# Altium PCB SwarmBotV2.PcbDoc (part 2 of 2)
Units mm, origin at the board's own origin, x right, y up, seen from the top; angles counter-clockwise.
Board outline 50 x 90 mm, 4 copper layers (L1 (Signal), GND, Power, L2 (Signal)), stack 0.786 mm thick; 79 components, 59 nets, 278 pads, 937 vias.
Unrouted connection lines stored in the file: 2.
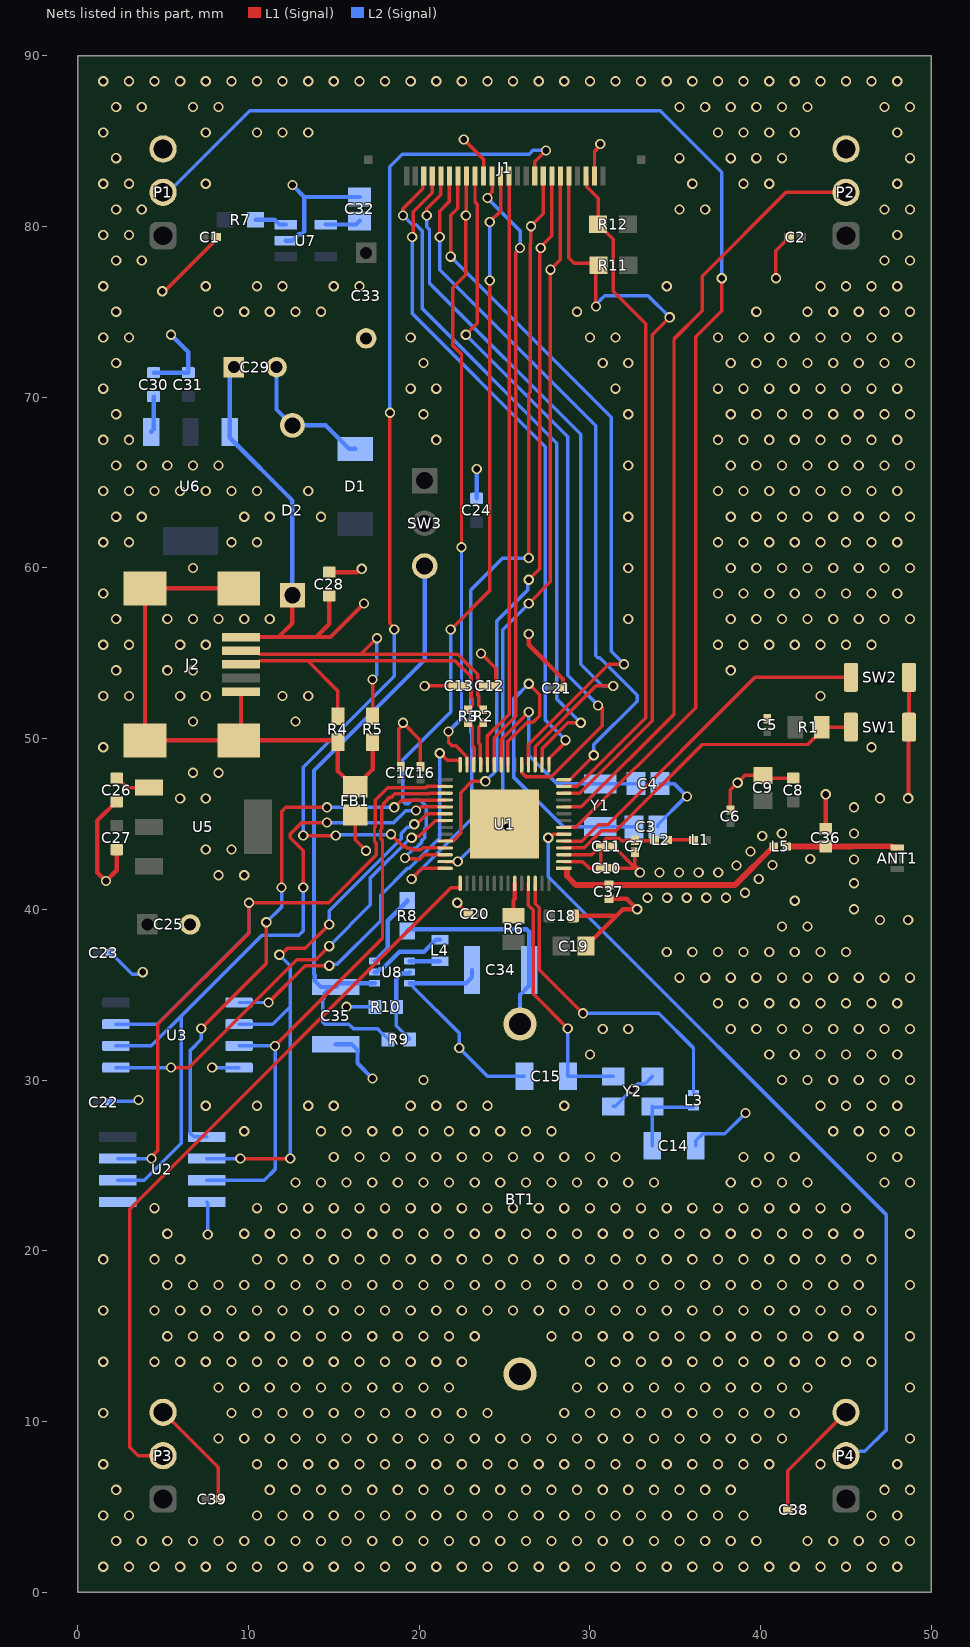
[diagram p4: the nets of this part, all layers, seen from the top]

## Via types
v1: diameter 0.6, hole 0.4, L1 (Signal) to L2 (Signal), 937 vias

## Nets (pads, with @x,y where several pads share a name; then routed paths per layer and width w, separated by ;. In a path a pad name is that pad's centre, name@x,y a point inside that pad or via, vN(x,y) a via of type N, cw(c..) or ccw(c..) an arc to the next point about the centre after c; other vN are vias at no path point) (continued)
cam_reset: J1.6 U1.41 | length 43.4
  L1 (Signal) w0.203: U1.41@21.523,42.8 v1(22.261,42.8) ; v1(26.416,57.912) 27.686,59.182 v1(27.686,77.47) 28.269,78.053 J1.6@28.269,82.952
  L2 (Signal) w0.203: v1(22.261,42.8) 24.892,45.431 24.892,56.388 v1(26.416,57.912)
GND: BT1.N C1.2 C2.2 C3.2 C4.2 C5.2 C6.2 C7.2 C8.2 C9.2 C10.2 C11.2 C12.2 C13.2 C14.2 C15.2 C16.2 C17.2 C18.2 C19.2 C20.2 C21.2 C22.2 C23.2 C24.2 C25.2 C26.2 C27.2 C28.2 C29.2 C30.2 C31.2 C32.2 C33.2 C34.2 C35.2 C36.2 C37.2 C38.2 C39.2 D1.2 D2.2 FB1.2 J1.2 J1.15 P1.3 P2.3 P3.3 P4.3 R10.2 SW1.2 SW2.2 U1.57 U2.4 U3.4 U7.2 U8.3 Y2.2 Y2.4 | length 139.1
  L1 (Signal) w0.203: v1(4.953,76.2) 5.085,76.2 7.926,79.041 7.926,79.245 8.056,79.375 C1.2@8.101,79.375 ; P3.3@5,10.54 8.228,7.312 C39.2@8.228,5.461 ; FB1.2@16.256,45.529 16.256,44.069 v1(16.891,43.434) ; C17.2@18.796,48.36 18.796,50.566 19.05,50.82 v1(19.05,50.927) 20.066,49.911 C16.2@20.066,48.36 ; v1(20.32,53.086) C13.2@21.998,53.086 ; v1(22.225,40.386) 22.225,40.367 22.841,39.751 C20.2@22.887,39.751 ; v1(22.606,85.09) 23.769,83.927 J1.15@23.769,82.952 ; v1(23.622,54.991) 24.484,54.129 C12.2@24.484,53.086 ; J1.2@30.269,82.952 30.269,84.391 30.607,84.729 v1(30.607,84.836) ; C10.2@31.342,42.418 32.56,42.418 ; C11.2@31.342,43.688 31.388,43.688 32.609,42.467 ; C7.2@32.639,43.334 32.639,42.554 32.925,42.268 v1(32.925,42.161) ; C6.2@38.227,45.82 38.227,46.99 v1(38.653,47.416) 39.079,47.842 C9.2@40.132,47.842 40.284,47.69 C8.2@41.91,47.69 ; v1(40.894,76.962) 40.894,78.586 41.507,79.2 41.507,79.245 41.637,79.375 C2.2@41.683,79.375 ; C38.2@41.582,4.826 41.582,7.122 P4.3@45,10.54
  L1 (Signal) w0.254: C27.2@2.286,43.496 2.286,42.291 v1(1.651,41.656) 1.143,42.164 1.143,45.197 2.236,46.29 C26.2@2.286,46.29 ; C28.2@14.732,59.755 16.354,59.755 16.543,59.944 v1(16.637,59.944) ; U1.57@25,45 25,44.977 v1(25.147,44.83) ; v1(26.416,56.134) 26.416,55.499 28.421,53.494 C21.2@28.421,52.959 ; C18.2@29.021,39.624 31.496,39.624 31.522,39.598 ; C19.2@29.771,37.846 29.771,37.896 30.144,38.269 30.194,38.269 31.522,39.598 ; C37.2@31.115,40.621 32.15,40.621 v1(32.766,40.005) 31.93,40.005 31.522,39.598 ; C36.2@43.815,44.704 v1(43.815,46.736) ; v1(48.641,46.503) 48.665,46.528 48.665,50.648 SW1.2@48.69,50.673 SW2.2@48.69,53.594
  L2 (Signal) w0.203: C22.2@1.878,28.702 1.942,28.765 3.492,28.765 v1(3.556,28.829) ; C23.2@1.878,37.465 1.924,37.465 3.194,36.195 3.683,36.195 v1(3.81,36.322) ; U2.4@7.553,22.86 7.62,22.793 v1(7.62,20.955) ; v1(7.874,30.734) U3.4@9.447,30.734 ; v1(15.748,34.29) R10.2@17.407,34.29 ; U8.3@19.44,35.672 19.565,35.672 19.663,35.574 19.663,35.449 22.352,32.76 v1(22.352,31.877) 24.003,30.226 C15.2@26.157,30.226 ; Y2.2@31.362,28.462 31.487,28.462 32.814,29.789 33.239,29.789 Y2.4@33.662,30.212 ; C3.2@33.975,44.831 33.975,44.957 35.627,46.609 v1(35.687,46.609) 34.925,47.371 C4.2@34.102,47.371 ; C14.2@36.2,26.162 36.2,26.437 36.623,26.86 37.909,26.86 v1(39.116,28.067)
  L2 (Signal) w0.254: C30.2@4.445,71.439 C31.2@6.477,71.439 6.477,72.644 v1(5.461,73.66) ; C29.2@11.644,71.755 11.644,69.277 D2.2@12.573,68.348 14.528,68.348 15.906,66.97 D1.2@16.256,66.97 ; U7.2@12.192,79.172 12.573,79.172 12.954,79.553 13.11,79.553 13.259,79.702 13.259,81.715 13.27,81.726 ; v1(12.573,82.423) 13.27,81.726 ; C35.2@15.113,32.107 16.039,32.107 16.388,31.757 16.388,30.983 v1(17.272,30.099) ; C32.2@16.51,81.726 13.27,81.726 ; U8.3@19.44,35.672 22.74,35.672 23.09,36.022 C34.2@23.09,36.449 ; C24.2@23.368,64.073 v1(23.368,65.786)
  other v1: 1.5,1.5 3,1.5 4.5,1.5 6,1.5 7.5,1.5 9,1.5 10.5,1.5 12,1.5 13.5,1.5 15,1.5 16.5,1.5 18,1.5 19.5,1.5 21,1.5 22.5,1.5 24,1.5 25.5,1.5 27,1.5 28.5,1.5 30,1.5 31.5,1.5 33,1.5 34.5,1.5 36,1.5 37.5,1.5 39,1.5 40.5,1.5 42,1.5 43.5,1.5 45,1.5 46.5,1.5 48,1.5 2.25,3 3.75,3 5.25,3 6.75,3 8.25,3 9.75,3 11.25,3 12.75,3 14.25,3 15.75,3 17.25,3 18.75,3 20.25,3 21.75,3 23.25,3 24.75,3 26.25,3 27.75,3 29.25,3 30.75,3 32.25,3 33.75,3 35.25,3 36.75,3 38.25,3 39.75,3 42.75,3 44.25,3 45.75,3 47.25,3 48.75,3 1.5,4.5 3,4.5 10.5,4.5 12,4.5 13.5,4.5 15,4.5 16.5,4.5 18,4.5 19.5,4.5 21,4.5 22.5,4.5 24,4.5 25.5,4.5 27,4.5 28.5,4.5 30,4.5 31.5,4.5 33,4.5 34.5,4.5 36,4.5 37.5,4.5 39,4.5 46.5,4.5 48,4.5 2.25,6 11.25,6 12.75,6 14.25,6 15.75,6 17.25,6 18.75,6 20.25,6 21.75,6 23.25,6 24.75,6 26.25,6 27.75,6 29.25,6 30.75,6 32.25,6 33.75,6 35.25,6 36.75,6 38.25,6 47.25,6 48.75,6 1.5,7.5 10.5,7.5 12,7.5 13.5,7.5 15,7.5 16.5,7.5 18,7.5 19.5,7.5 21,7.5 22.5,7.5 24,7.5 25.5,7.5 27,7.5 28.5,7.5 30,7.5 31.5,7.5 33,7.5 34.5,7.5 36,7.5 37.5,7.5 39,7.5 40.5,7.5 43.5,7.5 48,7.5 8.25,9 9.75,9 11.25,9 12.75,9 14.25,9 15.75,9 17.25,9 18.75,9 20.25,9 21.75,9 23.25,9 24.75,9 26.25,9 27.75,9 29.25,9 30.75,9 32.25,9 33.75,9 35.25,9 36.75,9 38.25,9 39.75,9 41.25,9 48.75,9 1.5,10.5 9,10.5 10.5,10.5 12,10.5 13.5,10.5 15,10.5 16.5,10.5 18,10.5 19.5,10.5 21,10.5 22.5,10.5 24,10.5 28.5,10.5 30,10.5 31.5,10.5 33,10.5 34.5,10.5 36,10.5 37.5,10.5 39,10.5 40.5,10.5 42,10.5 8.25,12 9.75,12 11.25,12 12.75,12 14.25,12 15.75,12 17.25,12 18.75,12 20.25,12 21.75,12 29.25,12 30.75,12 32.25,12 33.75,12 35.25,12 36.75,12 38.25,12 39.75,12 41.25,12 42.75,12 48.75,12 1.5,13.5 4.5,13.5 6,13.5 7.5,13.5 9,13.5 10.5,13.5 12,13.5 13.5,13.5 15,13.5 16.5,13.5 18,13.5 19.5,13.5 21,13.5 22.5,13.5 30,13.5 31.5,13.5 33,13.5 34.5,13.5 36,13.5 37.5,13.5 39,13.5 40.5,13.5 42,13.5 43.5,13.5 45,13.5 46.5,13.5 5.25,15 6.75,15 8.25,15 9.75,15 11.25,15 12.75,15 14.25,15 15.75,15 17.25,15 18.75,15 20.25,15 21.75,15 23.25,15 27.75,15 29.25,15 30.75,15 32.25,15 33.75,15 35.25,15 36.75,15 38.25,15 39.75,15 41.25,15 42.75,15 44.25,15 45.75,15 48.75,15 1.5,16.5 4.5,16.5 6,16.5 7.5,16.5 9,16.5 10.5,16.5 12,16.5 13.5,16.5 15,16.5 16.5,16.5 18,16.5 19.5,16.5 21,16.5 22.5,16.5 24,16.5 25.5,16.5 27,16.5 28.5,16.5 30,16.5 31.5,16.5 33,16.5 34.5,16.5 36,16.5 37.5,16.5 39,16.5 40.5,16.5 42,16.5 43.5,16.5 45,16.5 46.5,16.5 5.25,18 6.75,18 8.25,18 9.75,18 11.25,18 12.75,18 14.25,18 15.75,18 17.25,18 18.75,18 20.25,18 21.75,18 23.25,18 24.75,18 26.25,18 27.75,18 29.25,18 30.75,18 32.25,18 33.75,18 35.25,18 36.75,18 38.25,18 39.75,18 41.25,18 42.75,18 44.25,18 45.75,18 48.75,18 1.5,19.5 4.5,19.5 6,19.5 10.5,19.5 12,19.5 13.5,19.5 15,19.5 16.5,19.5 18,19.5 19.5,19.5 21,19.5 22.5,19.5 24,19.5 25.5,19.5 27,19.5 28.5,19.5 30,19.5 31.5,19.5 33,19.5 34.5,19.5 36,19.5 37.5,19.5 39,19.5 40.5,19.5 42,19.5 43.5,19.5 45,19.5 46.5,19.5 5.25,21 9.75,21 11.25,21 12.75,21 14.25,21 15.75,21 17.25,21 18.75,21 20.25,21 21.75,21 23.25,21 24.75,21 26.25,21 27.75,21 29.25,21 30.75,21 32.25,21 33.75,21 35.25,21 36.75,21 38.25,21 39.75,21 41.25,21 42.75,21 44.25,21 45.75,21 48.75,21 4.5,22.5 10.5,22.5 12,22.5 13.5,22.5 15,22.5 16.5,22.5 18,22.5 19.5,22.5 21,22.5 22.5,22.5 24,22.5 25.5,22.5 27,22.5 28.5,22.5 30,22.5 31.5,22.5 33,22.5 34.5,22.5 36,22.5 37.5,22.5 39,22.5 40.5,22.5 42,22.5 43.5,22.5 45,22.5 12.75,24 14.25,24 15.75,24 17.25,24 18.75,24 20.25,24 21.75,24 23.25,24 24.75,24 26.25,24 27.75,24 29.25,24 30.75,24 32.25,24 33.75,24 38.25,24 39.75,24 41.25,24 42.75,24 47.25,24 48.75,24 15,25.5 16.5,25.5 18,25.5 19.5,25.5 21,25.5 22.5,25.5 24,25.5 25.5,25.5 27,25.5 28.5,25.5 30,25.5 31.5,25.5 39,25.5 40.5,25.5 42,25.5 46.5,25.5 48,25.5 9.75,27 14.25,27 15.75,27 17.25,27 18.75,27 20.25,27 21.75,27 23.25,27 24.75,27 26.25,27 27.75,27 44.25,27 45.75,27 47.25,27 48.75,27 7.5,28.5 10.5,28.5 13.5,28.5 15,28.5 19.5,28.5 21,28.5 22.5,28.5 24,28.5 28.5,28.5 43.5,28.5 45,28.5 46.5,28.5 48,28.5 32.5,29.475 20.25,30 41.25,30 42.75,30 44.25,30 45.75,30 47.25,30 48.75,30 30,31.5 40.5,31.5 42,31.5 43.5,31.5 45,31.5 46.5,31.5 48,31.5 30.75,33 32.25,33 38.25,33 39.75,33 41.25,33 42.75,33 44.25,33 45.75,33 47.25,33 48.75,33 37.5,34.5 39,34.5 40.5,34.5 42,34.5 43.5,34.5 45,34.5 46.5,34.5 48,34.5 35.25,36 36.75,36 38.25,36 39.75,36 41.25,36 42.75,36 44.25,36 45.75,36 47.25,36 48.75,36 34.5,37.5 36,37.5 37.5,37.5 39,37.5 40.5,37.5 42,37.5 43.5,37.5 45,37.5 41.25,39 42.75,39 46.99,39.37 48.641,39.37 45.466,40.005 42,40.5 33.376,40.681 34.524,40.681 35.672,40.681 36.82,40.681 37.968,40.681 39.078,40.972 45.466,41.529 39.89,41.784 8.25,42 9.75,42 34.073,42.161 35.221,42.161 36.369,42.161 37.517,42.161 38.588,42.574 40.702,42.596 45.466,42.926 42.903,42.952 39.4,43.386 7.5,43.5 9,43.5 40.096,44.299 41.243,44.446 45.466,44.45 45.466,45.974 6,46.5 7.5,46.5 46.99,46.503 6.75,48 8.25,48 1.5,49.5 46.5,49.5 6.75,51 12.75,51 1.5,52.5 3,52.5 6,52.5 7.5,52.5 12,52.5 13.5,52.5 43.5,52.5 2.25,54 5.25,54 6.75,54 38.25,54 1.5,55.5 3,55.5 6,55.5 7.5,55.5 37.5,55.5 39,55.5 40.5,55.5 42,55.5 43.5,55.5 45,55.5 46.5,55.5 2.25,57 5.25,57 6.75,57 8.25,57 9.75,57 11.25,57 32.25,57 38.25,57 39.75,57 41.25,57 42.75,57 44.25,57 45.75,57 47.25,57 48.75,57 1.5,58.5 37.5,58.5 39,58.5 40.5,58.5 42,58.5 43.5,58.5 45,58.5 46.5,58.5 48,58.5 6.75,60 32.25,60 38.25,60 39.75,60 41.25,60 42.75,60 44.25,60 45.75,60 47.25,60 48.75,60 1.5,61.5 3,61.5 9,61.5 10.5,61.5 37.5,61.5 39,61.5 40.5,61.5 42,61.5 43.5,61.5 45,61.5 46.5,61.5 48,61.5 2.25,63 3.75,63 9.75,63 11.25,63 14.25,63 32.25,63 38.25,63 39.75,63 41.25,63 42.75,63 44.25,63 45.75,63 47.25,63 48.75,63 1.5,64.5 3,64.5 4.5,64.5 6,64.5 7.5,64.5 9,64.5 10.5,64.5 13.5,64.5 37.5,64.5 39,64.5 40.5,64.5 42,64.5 43.5,64.5 45,64.5 46.5,64.5 48,64.5 2.25,66 3.75,66 5.25,66 6.75,66 8.25,66 32.25,66 38.25,66 39.75,66 41.25,66 42.75,66 44.25,66 45.75,66 47.25,66 48.75,66 1.5,67.5 3,67.5 21,67.5 37.5,67.5 39,67.5 40.5,67.5 42,67.5 43.5,67.5 45,67.5 46.5,67.5 48,67.5 2.25,69 20.25,69 32.25,69 38.25,69 39.75,69 41.25,69 42.75,69 44.25,69 45.75,69 47.25,69 48.75,69 1.5,70.5 19.5,70.5 21,70.5 31.5,70.5 37.5,70.5 39,70.5 40.5,70.5 42,70.5 43.5,70.5 45,70.5 46.5,70.5 48,70.5 2.25,72 20.25,72 30.75,72 32.25,72 38.25,72 39.75,72 41.25,72 42.75,72 44.25,72 45.75,72 47.25,72 48.75,72 1.5,73.5 3,73.5 19.5,73.5 30,73.5 31.5,73.5 37.5,73.5 39,73.5 40.5,73.5 42,73.5 43.5,73.5 45,73.5 46.5,73.5 48,73.5 2.25,75 8.25,75 9.75,75 11.25,75 12.75,75 14.25,75 29.25,75 39.75,75 42.75,75 44.25,75 45.75,75 47.25,75 48.75,75 1.5,76.5 7.5,76.5 10.5,76.5 12,76.5 15,76.5 16.5,76.5 34.5,76.5 43.5,76.5 45,76.5 46.5,76.5 48,76.5 2.25,78 3.75,78 47.25,78 48.75,78 1.5,79.5 3,79.5 48,79.5 2.25,81 3.75,81 35.25,81 36.75,81 47.25,81 48.75,81 1.5,82.5 3,82.5 7.5,82.5 36,82.5 39,82.5 40.5,82.5 48,82.5 2.25,84 35.25,84 38.25,84 39.75,84 41.25,84 48.75,84 1.5,85.5 7.5,85.5 10.5,85.5 12,85.5 13.5,85.5 37.5,85.5 39,85.5 40.5,85.5 42,85.5 48,85.5 2.25,87 3.75,87 6.75,87 8.25,87 35.25,87 36.75,87 38.25,87 39.75,87 41.25,87 42.75,87 47.25,87 48.75,87 1.5,88.5 3,88.5 4.5,88.5 6,88.5 7.5,88.5 9,88.5 10.5,88.5 12,88.5 13.5,88.5 15,88.5 16.5,88.5 18,88.5 19.5,88.5 21,88.5 22.5,88.5 24,88.5 25.5,88.5 27,88.5 28.5,88.5 30,88.5 31.5,88.5 33,88.5 34.5,88.5 36,88.5 37.5,88.5 39,88.5 40.5,88.5 42,88.5 43.5,88.5 45,88.5 46.5,88.5 48,88.5
href: J1.9 U1.39 | length 61.6
  L1 (Signal) w0.203: v1(13.208,44.323) v1(15.113,44.323) ; v1(18.288,69.088) 18.288,56.749 18.542,56.495 v1(18.542,56.388) ; v1(18.343,44.395) 19.08,43.658 19.241,43.658 19.307,43.591 19.494,43.591 19.592,43.494 20.092,43.494 20.198,43.6 U1.39@21.523,43.6 ; J1.9@26.769,82.952 26.769,83.792 v1(27.432,84.455)
  L2 (Signal) w0.203: v1(13.208,44.323) 13.208,48.323 18.542,53.657 v1(18.542,56.388) ; v1(15.113,44.323) 15.149,44.359 18.307,44.359 v1(18.343,44.395) ; v1(18.288,69.088) 18.288,83.499 19.02,84.231 26.443,84.231 26.666,84.455 v1(27.432,84.455)
NetANT1_4: ANT1.4 C36.1 L5.2 | length 6.5
  L1 (Signal) w0.343: L5.2@41.527,43.688 41.531,43.692 45.335,43.692 45.339,43.696 47.704,43.696 47.775,43.625 ANT1.4@48,43.625
NetBT1_P: BT1.P C34.1 L4.1 R8.1 U8.1 | length 14.6
  L2 (Signal) w0.254: R8.1@19.304,38.724 19.418,38.838 26.291,38.838 26.44,38.689 C34.1@26.44,36.449 26.44,35.523 25.908,34.991 BT1.P@25.908,33.28 ; U8.1@19.44,36.972 19.442,36.97 21.206,36.97 L4.1@21.209,36.967
NetC3_1: C3.1 U1.21 Y1.1 | length 20.1
  L1 (Signal) w0.203: U1.21@25.2,48.477 25.2,49.843 25.205,49.843 26.319,50.957 26.667,50.957 27.051,51.342 27.051,52.578 v1(26.416,53.213)
  L2 (Signal) w0.203: v1(26.416,53.213) 25.527,52.324 25.527,47.752 28.428,44.851 Y1.1@30.607,44.851 32.553,44.851 C3.1@32.573,44.831
NetC4_1: C4.1 U1.22 Y1.2 | length 13.3
  L1 (Signal) w0.203: U1.22@24.8,48.477 24.8,49.946 v1(26.416,51.562)
  L2 (Signal) w0.203: v1(26.416,51.562) 26.416,49.022 28.067,47.371 30.587,47.371 Y1.2@30.607,47.351 30.627,47.371 C4.1@32.7,47.371
NetC7_1: C7.1 C10.1 C11.1 L2.2 U1.2 U1.3 | length 9.5
  L1 (Signal) w0.203: U1.2@28.477,42.8 29.592,42.8 29.974,42.418 C10.1@30.634,42.418 C11.1@30.634,43.688 ; U1.3@28.477,43.2 30.1,43.2 30.588,43.688 C11.1@30.634,43.688 ; L2.2@33.784,44.069 33.738,44.022 31.875,44.022 31.725,44.173 30.96,44.173 30.809,44.022 30.809,43.818 30.679,43.688 C11.1@30.634,43.688
NetC14_1: C14.1 L3.2 Y2.1 | length 4.7
  L2 (Signal) w0.203: C14.1@33.65,26.162 33.662,26.174 Y2.1@33.662,28.462 33.72,28.404 L3.2@36.068,28.404
NetC15_1: C15.1 U1.53 Y2.3 | length 14.9
  L1 (Signal) w0.203: U1.53@26.4,41.523 26.4,40.232 26.67,39.962 26.67,35.052 v1(28.702,33.02)
  L2 (Signal) w0.203: v1(28.702,33.02) 28.702,30.231 C15.1@28.707,30.226 31.348,30.226 Y2.3@31.362,30.212
NetC26_1: C26.1 U5.1 | length 2.1
  L1 (Signal) w0.203: C26.1@2.286,47.69 2.336,47.69 2.895,47.131 U5.1@4.166,47.131
NetC30_1: C30.1 U6.1 | length 2.1
  L2 (Signal) w0.254: U6.1@4.304,67.97 4.445,68.111 C30.1@4.445,70.039
NetC32_1: C32.1 U7.4 | length 2.1
  L2 (Signal) w0.254: U7.4@14.529,80.112 16.296,80.112 C32.1@16.51,80.326
NetFB1_1: FB1.1 J2.5 J2.Shell R4.2 R5.2 | length 34.8
  L1 (Signal) w0.254: J2.Shell@9.437,58.801 J2.Shell@3.937,58.801 J2.Shell@3.937,49.901 J2.Shell@9.437,49.901 ; J2.5@9.562,52.751 9.562,50.026 J2.Shell@9.437,49.901 ; R5.2@17.272,49.786 17.272,48.197 16.857,47.782 16.857,47.681 16.357,47.181 FB1.1@16.256,47.181 16.155,47.181 15.24,48.096 R4.2@15.24,49.786 15.125,49.901 J2.Shell@9.437,49.901
NetL1_2: L1.2 L2.1 | length 1.5
  L1 (Signal) w0.203: L2.1@34.542,44.069 L1.2@36.07,44.069
NetL3_1: L3.1 U1.54 | length 18.7
  L1 (Signal) w0.203: U1.54@26.8,41.523 26.8,40.335 27.037,40.098 27.037,36.463 v1(29.591,33.909)
  L2 (Signal) w0.203: v1(29.591,33.909) 34.036,33.909 36.068,31.877 L3.1@36.068,29.254
NetL4_2: L4.2 U8.5 | length 4.6
  L2 (Signal) w0.254: U8.5@17.39,36.322 17.515,36.322 17.686,36.493 17.824,36.493 18.844,37.513 20.28,37.513 20.984,38.217 L4.2@21.209,38.217
NetP1_2: P1.2 U1.7 | length 78.8
  L1 (Signal) w0.203: U1.7@28.477,44.8 29.179,44.8 36.195,51.816 36.195,73.533 37.719,75.057 v1(37.719,76.962)
  L2 (Signal) w0.203: P1.2@5,82 5.292,82 10.076,86.784 34.12,86.784 37.719,83.185 v1(37.719,76.962)
NetP2_2: P2.2 U1.10 | length 45.5
  L1 (Signal) w0.203: U1.10@28.477,46 29.49,46 34.925,51.435 34.925,73.406 36.576,75.057 36.576,77.089 41.487,82 P2.2@45,82
NetP3_2: P3.2 U1.43 | length 43.5
  L1 (Signal) w0.203: P3.2@5,8 3.549,8 3.048,8.501 3.048,22.445 21.864,41.262 22.395,41.262 22.4,41.267 U1.43@22.4,41.523
NetP4_2: P4.2 U1.6 | length 46.9
  L1 (Signal) w0.203: v1(27.559,44.196) 27.666,44.196 27.865,44.395 28.472,44.395 U1.6@28.477,44.4
  L2 (Signal) w0.203: v1(27.559,44.196) 27.559,41.91 47.371,22.098 47.371,9.525 46.105,8.259 45.259,8.259 P4.2@45,8
NetR1_2: R1.2 SW1.1 U1.4 | length 19.9
  L1 (Signal) w0.203: U1.4@28.477,43.6 29.678,43.6 30.68,44.602 31.521,44.602 36.576,49.657 42.761,49.657 43.575,50.471 R1.2@43.575,50.673 SW1.1@45.29,50.673
NetR6_1: R6.1 U1.51 | length 1.9
  L1 (Signal) w0.254: R6.1@25.527,39.638 25.527,40.553 25.6,40.626 U1.51@25.6,41.523
NetR7_2: R7.2 U7.3 | length 1.9
  L2 (Signal) w0.254: R7.2@10.425,80.391 11.532,80.391 11.811,80.112 U7.3@12.192,80.112
NetR8_2: R8.2 U8.6 | length 4.4
  L2 (Signal) w0.254: U8.6@17.39,36.972 17.515,36.972 17.588,37.045 17.588,37.17 18.161,37.743 18.161,39.331 19.304,40.474 R8.2@19.304,40.524
NetR9_1: R9.1 R10.1 U8.2 | length 4.8
  L2 (Signal) w0.203: R10.1@18.661,34.29 18.661,33.182 19.431,32.412 R9.1@19.431,32.385
  L2 (Signal) w0.254: R10.1@18.661,34.29 18.661,35.933 18.977,36.249 19.367,36.249 U8.2@19.44,36.322
NetSW2_1: SW2.1 U1.5 | length 20.8
  L1 (Signal) w0.203: U1.5@28.477,44 29.522,44 30.48,44.958 31.036,44.958 39.672,53.594 SW2.1@45.29,53.594
NetU1_28: U1.28 U3.1 | length 23.2
  L1 (Signal) w0.203: v1(11.176,34.544) 13.335,36.703 v1(14.732,36.703) ; v1(21.209,49.149) 21.243,49.149 21.654,48.738 22.395,48.738 22.4,48.733 U1.28@22.4,48.477
  L2 (Signal) w0.203: U3.1@9.447,34.544 v1(11.176,34.544) ; v1(14.732,36.703) 14.808,36.779 15.189,36.779 17.755,39.345 17.755,40.835 19.318,42.399 19.416,42.399 21.209,44.192 v1(21.209,49.149)
NetU1_30: U1.30 U2.7 U3.7 | length 47.4
  L1 (Signal) w0.203: v1(4.318,25.4) 4.318,25.493 4.699,25.874 4.699,33.274 10.033,38.608 v1(10.033,40.386) 14.698,40.386 17.496,43.183 17.496,43.884 17.383,43.997 17.383,44.793 17.427,44.837 17.427,46.383 18.165,47.121 20.403,47.121 20.482,47.2 U1.30@21.523,47.2
  L2 (Signal) w0.203: U3.7@2.237,33.274 4.665,33.274 10.033,38.642 v1(10.033,40.386) ; U2.7@2.353,25.4 v1(4.318,25.4)
NetU1_31: U1.31 U2.3 U3.3 | length 34.4
  L1 (Signal) w0.203: v1(11.557,32.004) 17.851,38.298 17.851,44.031 17.738,44.144 17.738,44.646 17.81,44.717 17.81,46.004 17.937,46.131 17.937,46.225 18.291,46.579 18.385,46.579 18.571,46.765 20.55,46.765 20.585,46.8 U1.31@21.523,46.8
  L2 (Signal) w0.203: U2.3@7.553,24.13 10.922,24.13 11.557,24.765 v1(11.557,32.004) U3.3@9.447,32.004
NetU1_32: U1.32 U2.1 | length 32
  L1 (Signal) w0.203: v1(7.239,33.02) 11.049,36.83 v1(11.049,39.243) ; v1(11.938,41.275) 11.938,45.72 12.192,45.974 v1(14.605,45.974) ; v1(18.542,45.974) 18.545,45.974 18.971,46.4 U1.32@21.523,46.4
  L2 (Signal) w0.203: v1(7.239,33.02) 7.239,32.385 6.604,31.75 6.604,26.868 6.802,26.67 U2.1@7.553,26.67 ; v1(11.049,39.243) 11.938,40.132 v1(11.938,41.275) ; v1(14.605,45.974) v1(18.542,45.974)
NetU1_33: U1.33 U2.6 U3.6 | length 41.8
  L1 (Signal) w0.203: v1(13.208,41.275) 13.208,43.434 12.446,44.196 12.446,44.416 13.115,45.085 v1(14.605,45.085) ; v1(19.812,45.795) 19.919,45.795 20.124,46 U1.33@21.523,46
  L2 (Signal) w0.203: U3.6@2.237,32.004 4.318,32.004 6.223,33.909 ; U2.6@2.353,24.13 3.903,24.13 6.066,26.292 6.066,33.752 6.223,33.909 ; v1(13.208,41.275) 13.208,38.735 12.954,38.481 10.795,38.481 6.223,33.909 ; v1(14.605,45.085) 18.508,45.085 19.207,45.784 19.801,45.784 v1(19.812,45.795)
NetU1_34: U1.34 U2.2 U3.2 | length 34.3
  L1 (Signal) w0.203: v1(9.525,25.4) v1(12.446,25.4) ; v1(11.811,37.338) 11.904,37.338 12.285,37.719 13.335,37.719 v1(14.732,39.116) ; v1(19.716,44.984) 19.823,44.984 20.03,45.19 20.063,45.19 20.472,45.6 U1.34@21.523,45.6
  L2 (Signal) w0.203: U2.2@7.553,25.4 v1(9.525,25.4) ; U3.2@9.447,33.274 11.43,33.274 12.446,34.29 ; v1(11.811,37.338) 12.446,36.703 12.446,34.29 ; v1(12.446,25.4) 12.446,34.29 ; v1(14.732,39.116) 14.732,39.929 18.948,44.144 18.948,44.441 19.307,44.801 19.425,44.801 19.608,44.984 v1(19.716,44.984)
NetU1_35: U1.35 U2.5 U3.5 | length 26.2
  L1 (Signal) w0.203: v1(5.461,30.734) 6.511,30.734 12.835,37.059 13.945,37.059 v1(14.732,37.846) ; v1(19.558,44.196) 19.634,44.272 20.015,44.272 20.938,45.195 21.517,45.195 U1.35@21.523,45.2
  L2 (Signal) w0.203: U3.5@2.237,30.734 v1(5.461,30.734) ; v1(14.732,37.846) 17.145,40.259 17.145,41.839 19.502,44.196 v1(19.558,44.196)
pclk: J1.17 U1.27 | length 35.9
  L1 (Signal) w0.203: v1(21.717,50.419) 21.717,49.784 21.92,49.581 22.154,49.581 22.795,48.941 22.795,48.483 U1.27@22.8,48.477 ; v1(22.479,61.214) 22.479,72.517 21.971,73.025 21.971,76.4 22.733,77.162 v1(22.733,80.645) 22.751,80.663 22.751,82.934 J1.17@22.769,82.952
  L2 (Signal) w0.203: v1(21.717,50.419) 22.479,51.181 v1(22.479,61.214)
pwdn: J1.8 U1.42 | length 47.5
  L1 (Signal) w0.203: v1(19.558,41.783) 19.558,41.806 20.152,42.4 U1.42@21.523,42.4 ; v1(26.416,60.579) 26.416,70.193 26.513,70.29 26.513,78.991 26.543,79.021 v1(26.543,80.01) 27.269,80.736 J1.8@27.269,82.952
  L2 (Signal) w0.203: v1(19.558,41.783) 23.084,45.309 23.084,50.296 23.017,50.362 23.017,58.704 24.892,60.579 v1(26.416,60.579)
RF_I/O: C37.1 L5.1 U1.1 | length 13.6
  L1 (Signal) w0.343: U1.1@28.654,42.33 28.654,41.958 29.191,41.421 C37.1@31.115,41.421 38.481,41.421 40.748,43.688 L5.1@40.769,43.688
SCL: J1.5 R11.2 U1.12 | length 45.3
  L1 (Signal) w0.203: U1.12@28.477,46.8 29.401,46.8 33.655,51.054 33.655,73.66 v1(34.671,74.676) ; J1.5@28.769,82.952 28.769,78.165 29.083,77.851 30.365,77.851 R11.2@30.492,77.724 30.353,77.585 v1(30.353,75.311)
  L2 (Signal) w0.203: v1(30.353,75.311) 30.353,75.418 30.607,75.672 30.607,75.692 30.861,75.946 33.401,75.946 v1(34.671,74.676)
SDA: J1.3 R12.2 U1.13 | length 39.7
  L1 (Signal) w0.203: U1.13@28.477,47.2 29.259,47.2 33.274,51.215 33.274,74.295 31.369,76.2 31.369,79.248 30.908,79.709 30.908,79.733 30.503,80.137 R12.2@30.48,80.137 30.48,81.661 29.817,82.324 29.817,82.904 J1.3@29.769,82.952
USB1_N: C12.1 J2.2 R2.2 R5.1 | length 23.1
  L1 (Signal) w0.203: J2.2@9.562,55.151 10.437,55.151 10.655,54.933 16.579,54.933 ; R5.1@17.272,51.306 v1(17.272,53.467) ; v1(17.526,55.88) 16.579,54.933 ; R2.2@23.749,51.683 23.749,51.708 23.626,51.831 23.605,51.831 23.486,51.95 23.486,52.487 23.423,52.55 23.423,52.837 23.542,52.956 23.646,52.956 C12.1@23.776,53.086 23.646,53.216 23.542,53.216 23.423,53.335 23.423,53.772 23.028,54.167 23.014,54.167 22.248,54.933 16.579,54.933
  L2 (Signal) w0.203: v1(17.272,53.467) 17.526,53.721 v1(17.526,55.88)
USB1_P: C13.1 J2.3 R3.2 R4.1 | length 20.5
  L1 (Signal) w0.203: J2.3@9.562,54.351 10.437,54.351 10.655,54.569 13.462,54.569 ; R4.1@15.24,51.306 15.24,52.791 13.462,54.569 ; R3.2@22.86,51.683 22.86,51.708 22.983,51.831 23.004,51.831 23.123,51.95 23.123,52.336 23.059,52.4 23.059,52.837 22.94,52.956 22.836,52.956 C13.1@22.706,53.086 22.836,53.216 22.94,53.216 23.059,53.335 23.059,53.622 22.878,53.804 22.864,53.804 22.098,54.569 13.462,54.569
USB_N: R2.1 U1.25 | length 2.6
  L1 (Signal) w0.203: U1.25@23.6,48.477 23.6,48.829 23.582,48.848 23.582,49.626 23.486,49.722 23.486,50.666 23.605,50.785 23.626,50.785 23.749,50.908 R2.1@23.749,50.933
USB_P: R3.1 U1.26 | length 2.6
  L1 (Signal) w0.203: R3.1@22.86,50.933 22.86,50.908 22.983,50.785 23.004,50.785 23.123,50.666 23.123,49.571 23.218,49.476 23.218,48.848 23.2,48.829 U1.26@23.2,48.477
Vbat: C35.1 R9.2 SW3.3 U8.4 | length 37.3
  L2 (Signal) w0.203: C35.1@14.826,35.457 14.451,35.082 14.451,34.795 14.351,34.695 14.351,33.393 14.47,33.274 15.875,33.274 16.129,33.02 17.542,33.02 17.873,32.689 17.9,32.689 18.177,32.412 R9.2@18.177,32.385
  L2 (Signal) w0.254: U8.4@17.39,35.672 15.328,35.672 C35.1@15.113,35.457 14.826,35.457 14.242,35.457 13.892,35.807 13.892,36.146 13.843,36.195 13.843,48.133 20.32,54.61 SW3.3@20.32,60.111
VBUS: C28.1 C29.1 D2.1 J2.1 U6.3 | length 28.5
  L1 (Signal) w0.254: J2.1@9.562,55.951 11.766,55.951 ; D2.1@12.573,58.398 12.573,56.758 11.766,55.951 ; C28.1@14.732,58.355 14.732,56.713 13.97,55.951 ; v1(16.764,57.912) 14.803,55.951 13.97,55.951 ; 11.766,55.951 13.97,55.951
  L2 (Signal) w0.254: C29.1@9.144,71.755 8.904,71.515 U6.3@8.904,67.97 8.904,67.62 12.573,63.951 D2.1@12.573,58.398
vsync: J1.7 U1.38 | length 42.2
  L1 (Signal) w0.203: U1.38@21.523,44 21.528,44.005 21.986,44.005 22.428,44.447 22.428,46.837 23.089,47.498 v1(23.876,47.498) ; v1(26.416,59.309) 27.051,59.944 27.051,78.673 v1(27.118,78.74) ; v1@27.084,78.773 27.769,79.458 J1.7@27.769,82.952
  L2 (Signal) w0.203: v1(23.876,47.498) 24.536,48.158 24.536,56.888 26.353,58.704 26.353,59.246 v1(26.416,59.309)
xclk: J1.13 U1.40 | length 46.8
  L1 (Signal) w0.203: v1(19.165,43.003) 19.191,42.977 19.767,42.977 19.818,42.926 20.027,42.926 20.301,43.2 U1.40@21.523,43.2 ; v1(21.844,56.388) 24.13,58.674 v1(24.13,76.835) ; v1(24.13,80.264) 24.769,80.903 J1.13@24.769,82.952
  L2 (Signal) w0.203: v1(19.165,43.003) 19.165,43.041 19.715,43.591 19.808,43.591 20.163,43.946 20.163,44.039 20.32,44.196 20.32,44.733 20.417,44.83 20.417,46.046 20.063,46.4 19.561,46.4 19.351,46.189 19.182,46.189 19.05,46.321 19.05,48.768 21.844,51.562 v1(21.844,56.388) ; v1(24.13,76.835) v1(24.13,80.264)
Y2: J1.19 U1.14 | length 42.4
  L1 (Signal) w0.203: v1(21.209,79.375) 21.209,80.899 21.769,81.459 J1.19@21.769,82.952 ; U1.14@28.477,47.6 28.829,47.6 30.226,48.997 v1(30.226,49.022)
  L2 (Signal) w0.203: v1(21.209,79.375) 21.209,77.47 30.353,68.326 30.353,54.856 30.472,54.737 30.573,54.737 32.766,52.544 32.766,52.197 30.226,49.657 v1(30.226,49.022)
Y3: J1.21 U1.15 | length 39.1
  L1 (Signal) w0.203: v1(19.588,79.375) 19.655,79.442 19.655,80.869 20.769,81.983 J1.21@20.769,82.952 ; U1.15@27.6,48.477 27.6,48.829 28.575,49.804 v1(28.575,49.911)
  L2 (Signal) w0.203: v1(19.588,79.375) 19.588,74.9 27.394,67.094 27.394,51.092 v1(28.575,49.911)
Y4: J1.22 U1.16 | length 40.8
  L1 (Signal) w0.203: v1(19.05,80.645) 19.05,81.026 20.221,82.197 20.221,82.904 J1.22@20.269,82.952 ; U1.16@27.2,48.477 27.2,49.425 28.702,50.927 v1(29.464,50.927)
  L2 (Signal) w0.203: v1(19.05,80.645) 19.598,80.097 19.818,80.097 20.193,79.722 20.193,75.184 28.067,67.31 28.067,52.324 v1(29.464,50.927)
Y5: J1.20 U1.17 | length 42.2
  L1 (Signal) w0.203: v1(20.447,80.645) 20.447,81.026 21.269,81.848 J1.20@21.269,82.952 ; U1.17@26.8,48.477 26.8,49.528 30.358,53.086 v1(31.369,53.086)
  L2 (Signal) w0.203: v1(20.447,80.645) 20.447,79.971 20.604,79.814 20.604,76.678 29.464,67.818 29.464,54.356 30.734,53.086 v1(31.369,53.086)
Y6: J1.18 U1.18 | length 41.7
  L1 (Signal) w0.203: v1(21.844,78.232) 21.844,80.65 22.269,81.075 J1.18@22.269,82.952 ; U1.18@26.4,48.477 26.4,49.641 31.115,54.356 v1(32.004,54.356)
  L2 (Signal) w0.203: v1(21.844,78.232) 31.242,68.834 31.242,55.118 v1(32.004,54.356)
Y7: J1.16 U1.19 | length 42.5
  L1 (Signal) w0.203: v1(22.733,73.66) 23.398,74.325 23.398,81.304 23.269,81.433 J1.16@23.269,82.952 ; U1.19@26,48.477 26.005,48.472 26.005,48.014 26.255,47.764 27.745,47.764 30.734,50.753 30.734,51.824 30.706,51.824 30.587,51.943 v1(30.48,51.943)
  L2 (Signal) w0.203: v1(22.733,73.66) 28.702,67.691 28.702,53.721 v1(30.48,51.943)
Y8: J1.14 U1.23 | length 36
  L1 (Signal) w0.203: v1(24.003,81.661) 24.003,81.768 24.269,82.034 J1.14@24.269,82.952 ; U1.23@24.4,48.477 24.4,50.054 25.654,51.308 25.654,78.486 v1(25.908,78.74)
  L2 (Signal) w0.203: v1(24.003,81.661) 25.908,79.756 v1(25.908,78.74)
Y9: J1.12 U1.24 | length 35
  L1 (Signal) w0.203: U1.24@24,48.477 24,50.162 25.273,51.435 25.273,82.948 J1.12@25.269,82.952
pads on no net: ANT1.1 ANT1.2-3 ANT1.5-6 J1.1 J1.23 J1.24 J1.S1 J1.S2 J2.4 SW1.H1 SW2.H1 U1.8 U1.9 U1.11 U1.36 U1.37 U1.44 U1.45 U1.47 U1.48 U1.49 U1.50 U1.52 U5.4 U6.4

## Polygon pours and split planes (outlines as drawn)
GND on L2 (Signal) "NONET_L02_P-001" (solid, remove dead copper, pour order 2): 0,90 50,90 50,0 0,0
GND on L1 (Signal) "NONET_L02_P-001" (solid, remove dead copper, pour order 0): 0,90.551 50.165,90.551 50.165,0.165 50,0 0,0
3.3V on Power (split plane): 49.49,46 46.5,46 46.5,40 49.49,40 49.49,0.51 0.51,0.51 0.51,89.49 49.49,89.49
GND on GND (split plane): 49.49,46 46.75,46 46.75,40 49.49,40 49.49,0.51 0.51,0.51 0.51,89.49 49.49,89.49

## Keep-outs
Keep-Out Layer:
  rectangle: 46.75,40 49.75,46

## Other copper
GND (plane layer: these items are gaps in the copper):
  rectangle: 46.75,40 49.75,46
Power (plane layer: these items are gaps in the copper):
  rectangle: 46.5,40 49.5,46
Multi-Layer:
  the board outline again, w0.254

## Silkscreen, mask and mechanical layers (free items; w line width, h text height)
Top Overlay:
  text "EV SB V2" at 29.183,64.489 h0.3